# Altium PCB Radxa_E25_V1.4_20220119.PcbDoc (part 3 of 5)
Units mil, origin at the board's own origin, x right, y up, seen from the top; angles counter-clockwise.
Board outline 3106.31 x 2679.13 mil, 6 copper layers (Top, GND1, S1, Power, GND2, Bottom), stack 58.1 mil thick; 477 components, 352 nets, 1856 pads, 1064 vias.
Unrouted connection lines stored in the file: 297.
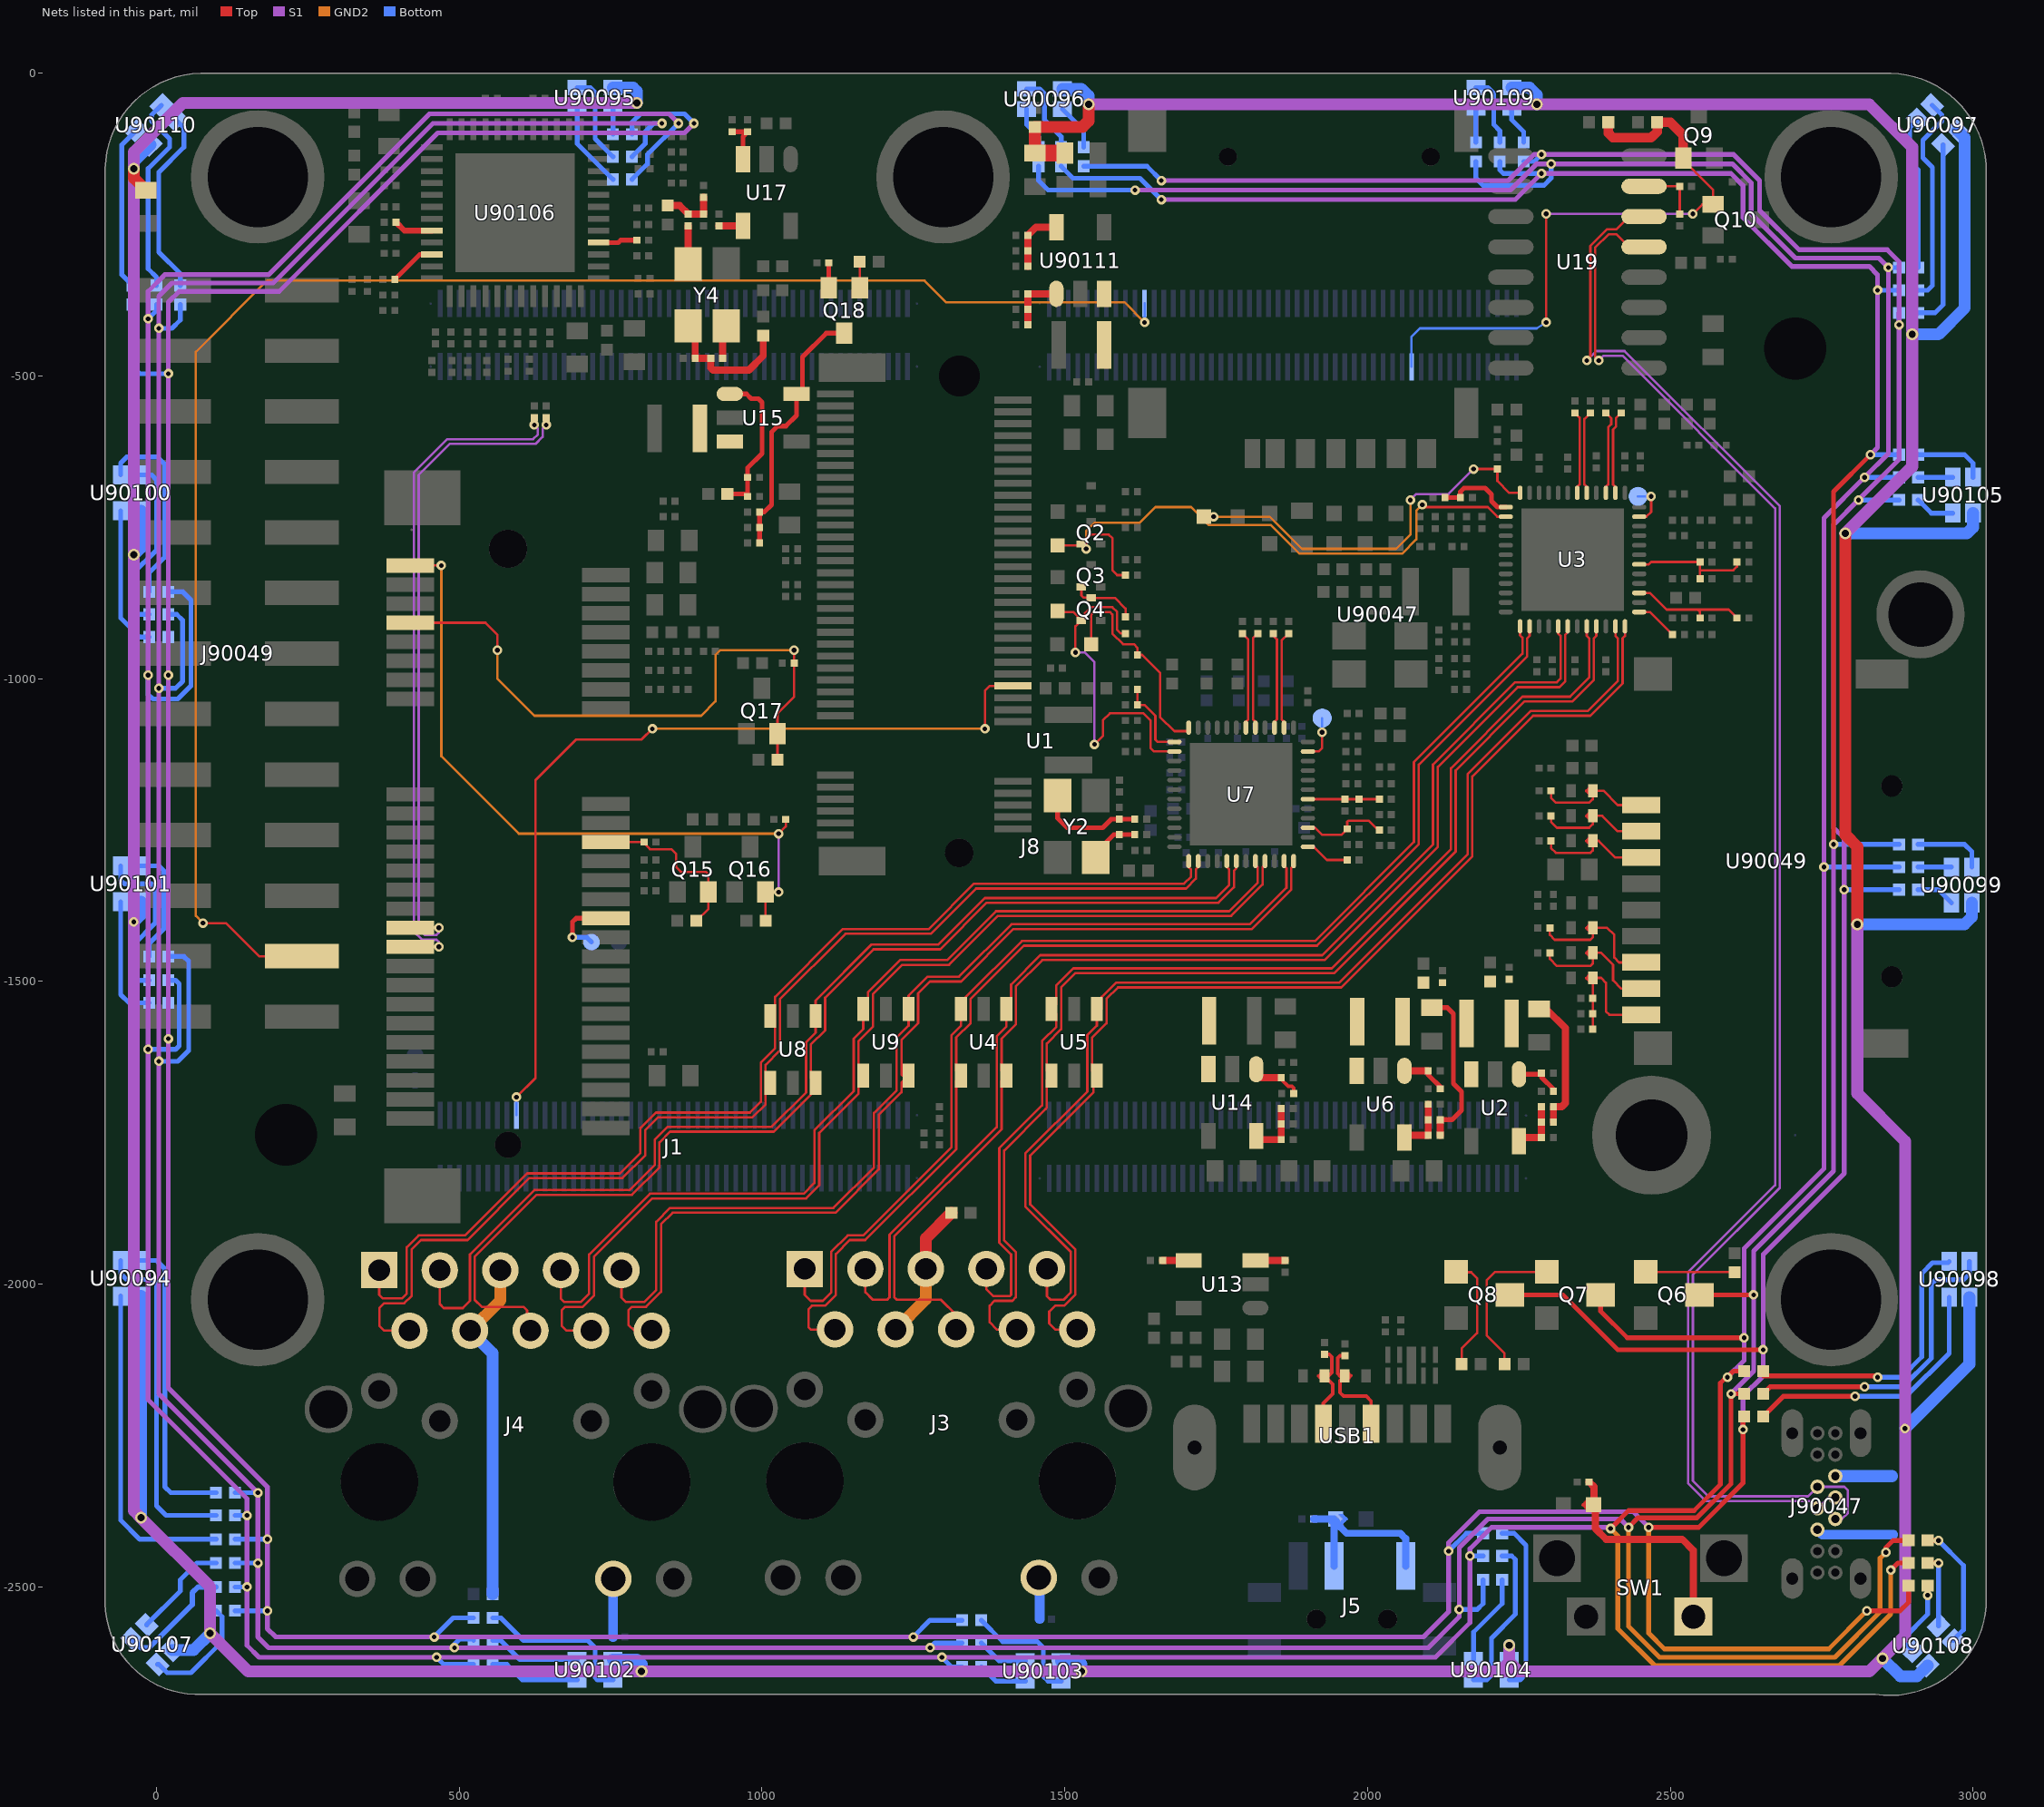
[diagram p7: the nets of this part, all layers, seen from the top]

## Via types
v1: diameter 15.75, hole 7.87, Top to Bottom, 825 vias
v2: diameter 19.68, hole 11.81, Top to Bottom, 239 vias

## Nets (pads, with @x,y where several pads share a name; then routed paths per layer and width w, separated by ;. In a path a pad name is that pad's centre, name@x,y a point inside that pad or via, vN(x,y) a via of type N, cw(c..) or ccw(c..) an arc to the next point about the centre after c; other vN are vias at no path point) (continued)
GPIO4_C0: J1.18 U90047.26 | length 1456.5
  Top w3.94: v1(594.49,-1690.94) 625.98,-1659.45 625.98,-1167.32 692.91,-1100.39 801.18,-1100.39 v1(818.9,-1082.68) ; v1(1368.11,-1082.68) 1368.11,-1019.68 1375.98,-1011.81 U90047.26@1414.57,-1011.81
  GND2 w3.94: v1(818.9,-1082.68) v1(1368.11,-1082.68)
  Bottom w3.94: J1.18@594.49,-1720.87 v1(594.49,-1690.94)
GPIO4_C6: J90049.24 U1.21 | length 2810.2
  Top w3.94: v1(76.77,-1403.54) 114.96,-1403.54 169.68,-1458.27 J90049.24@240.16,-1458.27
  GND2 w3.94: v1(76.77,-1403.54) 64.96,-1391.73 64.96,-459.9 182.34,-342.52 1268.45,-342.52 1303.88,-377.95 1598.43,-377.95 v1(1631.89,-411.42)
  Bottom w3.94: v1(1631.89,-411.42) U1.21@1631.89,-379.92
GPIO_VREF: Q9.1 Q10.1 R1.1 R2.1 U1.78 | length 1050.2
  Top w3.94: v1(2295.28,-411.42) v1(2295.28,-232.28) ; Q9.1@2521.65,-139.76 2521.65,-143.7 2543.31,-165.35 2570.87,-192.92 Q10.1@2570.87,-216.54 2553.15,-216.54 v1(2537.4,-232.28)
  Top w15.75: R1.1@2397.64,-80.71 2397.64,-98.43 2405.51,-106.3 2468.5,-106.3 2478.35,-96.46 R2.1@2478.35,-80.71 2500,-80.71 2521.65,-102.36 Q9.1@2521.65,-139.76
  S1 w3.94: v1(2295.28,-232.28) v1(2537.4,-232.28)
  Bottom w3.94: U1.78@2072.83,-484.65 2072.83,-435.04 2086.61,-421.26 2279.53,-421.26 v1(2295.28,-411.42)
HSON: C71.2 U7.39 | length 159.6
  Top w3.94: C71.2@1844.49,-925.2 1844.49,-929.13 1850.39,-935.04 1850.39,-1066.93 1846.46,-1070.87 U7.39@1846.46,-1080.71
HSON_16743242: C34.2 U3.39 | length 139.2
  Top w3.94: U3.39@2393.7,-692.91 2393.7,-683.07 2397.64,-679.13 2397.64,-584.65 2402.56,-579.72 2402.56,-569.88 C34.2@2393.7,-561.02
HSOP: C72.2 U7.38 | length 162
  Top w3.94: U7.38@1862.2,-1080.71 1862.2,-1070.87 1858.27,-1066.93 1858.27,-937.01 C72.2@1870.08,-925.2
HSOP_16742668: C35.2 U3.38 | length 139.2
  Top w3.94: U3.38@2409.45,-692.91 2409.45,-683.07 2405.51,-679.13 2405.51,-588.58 2410.43,-583.66 2410.43,-569.88 C35.2@2419.29,-561.02
ISOLATEB: R60.1 R61.1 U7.1 | length 135
  Top w3.94: R60.1@1620.08,-1017.72 R61.1@1620.08,-1043.31 1631.89,-1043.31 1649.61,-1061.02 1649.61,-1100.39 1653.54,-1104.33 U7.1@1681.1,-1104.33
ISOLATEB_16741688: R16.1 R17.1 U3.1 | length 132.3
  Top w7.87: R16.1@2127.95,-700.79 R17.1@2153.54,-700.79 2153.54,-690.94 2159.45,-685.04 2194.21,-685.04 2204.72,-695.55 2204.72,-706.69 2214.57,-716.54 U3.1@2228.35,-716.54
L3V3: J4.17 R86.2 | length 96.3
  Bottom w15.75: R86.2@753.94,-2582.68 J4.17@753.94,-2487.2
  Bottom w19.68: J4.17@753.94,-2487.2 J4.17@754.53,-2486.61
L3V3_16742974: J3.17 R42.2 | length 69.1
  Bottom w15.75: R42.2@1458.66,-2553.15 J3.17@1458.66,-2486.02
  Bottom w19.68: J3.17@1457.28,-2484.65 J3.17@1458.66,-2486.02
LAN_CLKREQB: D3.1 R74.2 U7.48 | length 367.3
  Top w3.94: D3.1@1543.7,-942.91 1543.7,-893.7 1547.64,-889.76 1574.8,-889.76 1578.74,-893.7 1578.74,-925.2 1596.46,-942.91 1614.17,-942.91 1620.08,-948.82 R74.2@1620.08,-960.63 1627.95,-960.63 1657.48,-990.16 1657.48,-1062.99 1681.1,-1086.61 1704.72,-1086.61 U7.48@1704.72,-1080.71
LAN_CLKREQB_16742094: D1.1 R30.2 U3.48 | length 660
  Top w3.94: D1.1@1729.92,-732.28 v1(1746.06,-732.28) ; v1(2175.2,-653.54) R30.2@2214.57,-653.54 2214.57,-673.23 2234.25,-692.91 U3.48@2251.97,-692.91
  S1 w3.94: v1(2070.87,-704.72) 2080.71,-694.88 2133.86,-694.88 v1(2175.2,-653.54)
  GND2 w3.94: v1(1746.06,-732.28) 1838.58,-732.28 1891.73,-785.43 2047.24,-785.43 2070.87,-761.81 v1(2070.87,-704.72)
LAN_EXT_CORE: C5.1 C6.1 C7.1 L1.2 R6.1 R24.2 | length 228.1
  Top w11.81: C6.1@2283.46,-1545.28 2295.28,-1545.28 2326.77,-1576.77 2326.77,-1700.79 2320.87,-1706.69 C5.1@2307.09,-1706.69 R6.1@2307.09,-1732.28
LAN_EXT_CORE_PCIE3: C39.1 C43.1 C44.1 L3.2 R48.1 R68.2 | length 272.2
  Top w7.87: C43.1@2106.3,-1543.31 2131.89,-1543.31 2141.73,-1553.15 2141.73,-1668.36 2155.51,-1682.14 2155.51,-1712.6 2139.76,-1728.35 R48.1@2120.08,-1728.35
  Top w11.81: C39.1@2120.08,-1753.94 R48.1@2120.08,-1728.35
LANWAKEB: D4.1 Q4.1 R70.2 U7.2 | length 621.5
  Top w3.94: D4.1@1488.19,-888.19 1489.76,-889.76 1513.78,-889.76 Q4.1@1527.56,-903.54 ; v1(1517.72,-956.69) 1517.72,-913.39 Q4.1@1527.56,-903.54 ; v1(1549.21,-1108.27) 1562.99,-1094.49 1562.99,-1068.9 1574.8,-1057.09 1629.92,-1057.09 1641.73,-1068.9 1641.73,-1114.17 1647.64,-1120.08 U7.2@1681.1,-1120.08 ; R70.2@1600.39,-925.2 1592.52,-925.2 1586.61,-919.29 1586.61,-889.76 1578.74,-881.89 1543.31,-881.89 1533.46,-891.73 1533.46,-903.54 Q4.1@1527.56,-903.54
  S1 w3.94: v1(1517.72,-956.69) 1533.46,-956.69 1549.21,-972.44 v1(1549.21,-1108.27)
LANWAKEB_16742124: D2.1 Q2.1 R26.2 U3.2 | length 1034.3
  Top w3.94: D2.1@1488.19,-779.92 1525.59,-779.92 1525.59,-779.53 Q2.1@1527.56,-777.56 ; v1(1535.43,-785.43) 1535.43,-777.56 Q2.1@1527.56,-777.56 ; R26.2@1600.39,-828.74 1586.61,-828.74 1578.74,-820.87 1578.74,-767.72 1572.83,-761.81 1543.31,-761.81 Q2.1@1527.56,-777.56 ; v1(2090.55,-712.6) 2094.49,-716.54 2198.82,-716.54 2214.57,-732.28 U3.2@2228.35,-732.28
  GND2 w3.94: v1(1535.43,-785.43) 1535.43,-755.91 1549.21,-742.13 1624.02,-742.13 1649.61,-716.54 1708.66,-716.54 1738.19,-746.06 1840.55,-746.06 1887.8,-793.31 2057.09,-793.31 2080.71,-769.68 2080.71,-722.44 v1(2090.55,-712.6)
LED0/EEDI/SPISI/SDA: R72.2 R75.2 R80.1 U7.30 | length 118.1
  Top w3.94: U7.30@1901.57,-1198.82 R75.2@1962.6,-1198.82 R80.1@1986.22,-1198.82 R72.2@2019.68,-1198.82
LED0/EEDI/SPISI/SDA_16742422: R28.2 R31.2 R36.1 U3.30 | length 201.6
  Top w3.94: U3.30@2448.82,-811.02 2464.57,-811.02 2468.5,-807.09 2547.68,-807.09 R31.2@2549.21,-808.62 ; R36.1@2549.21,-834.65 2549.21,-820.87 ; R31.2@2549.21,-807.09 R31.2@2549.21,-808.62 ; R28.2@2610.24,-807.09 2610.24,-814.96 2604.33,-820.87 2549.21,-820.87 ; 2549.21,-820.87 R31.2@2549.21,-808.62
LED1/EESK/SPISCK: R71.2 R81.1 U7.27 | length 146.2
  Top w3.94: U7.27@1901.57,-1246.06 1913.39,-1246.06 1925.2,-1257.87 1956.69,-1257.87 R81.1@1966.54,-1248.03 1966.54,-1236.22 1968.5,-1234.25 2001.97,-1234.25 2017.72,-1250 R71.2@2019.68,-1250
LED1/EESK/SPISCK_16741786: R27.2 R37.1 U3.27 | length 194
  Top w3.94: U3.27@2448.82,-858.27 2466.54,-858.27 2494.09,-885.83 2545.28,-885.83 ; R37.1@2549.21,-899.61 2549.21,-889.76 2545.28,-885.83 ; R27.2@2610.24,-899.61 2596.46,-885.83 2545.28,-885.83
LED2/EEDO/SPISO: R83.1 U7.25 | length 73.9
  Top w3.94: U7.25@1901.57,-1277.56 1911.42,-1277.56 1933.07,-1299.21 R83.1@1966.54,-1299.21
LED2/EEDO/SPISO_16741810: R39.1 U3.25 | length 70.6
  Top w3.94: U3.25@2448.82,-889.76 2466.54,-889.76 R39.1@2503.94,-927.17
LED3: TP2.1 U7.35 | length 75.3
  Top w3.94: U7.35@1901.57,-1120.08 1919.29,-1120.08 1925.2,-1114.17 v1(1925.2,-1088.58)
  Bottom w3.94: v1(1925.2,-1088.58) TP2.1@1925.2,-1064.96
LED3_16743702: TP1.1 U3.35 | length 70.2
  Top w3.94: U3.35@2448.82,-732.28 2460.63,-732.28 2468.5,-724.41 v1(2468.5,-698.82)
  Bottom w3.94: TP1.1@2446.85,-698.82 v1(2468.5,-698.82)
LED-VCC: C124.1 C125.1 R146.2 R148.2 U90094.1 U90095.1 U90096.1 U90097.1 U90098.1 U90099.1 U90100.1 U90101.1 U90102.1 U90103.1 U90104.1 U90105.1 U90107.1 U90108.1 U90109.1 U90110.1 | length 12631.8
  Top w19.68: v2(-37.4,-157.48) -37.4,-173.23 R148.2@-17.72,-192.91 ; C124.1@1450.79,-131.89 C125.1@1450.79,-88.58 1529.53,-88.58 1539.37,-78.74 v2(1539.37,-51.18) ; v2(2789.37,-759.84) 2789.37,-1257.87 2809.06,-1277.56 v2(2809.06,-1405.51)
  Top w27.56: C124.1@1450.79,-131.89 R146.2@1500,-131.89
  S1 w19.68: v2(793.31,-49.21) 43.31,-49.21 -37.4,-129.92 v2(-37.4,-157.48) v2(-37.4,-795.28) v1(-37.4,-1401.57) -37.4,-2374.02 v2(-25.59,-2385.83) 88.58,-2500 v2(88.58,-2576.77) 151.57,-2639.76 v2(801.18,-2639.76) v2(1527.56,-2639.76) 2218.5,-2639.76 ; v2(1539.37,-51.18) v2(2279.53,-51.18) 2828.74,-51.18 2899.61,-122.05 v2(2899.61,-431.1) 2899.61,-649.61 v2(2789.37,-759.84) ; v2(2234.25,-2596.46) 2234.25,-2624.02 ; v2(2809.06,-1405.51) 2809.06,-1685.04 2887.8,-1763.78 v1(2887.8,-2238.19) 2887.8,-2580.71 v2(2850.39,-2618.11) 2828.74,-2639.76 2250,-2639.76 ; 2218.5,-2639.76 2234.25,-2624.02 ; 2218.5,-2639.76 2234.25,-2639.76 ; 2234.25,-2639.76 2234.25,-2624.02 ; 2234.25,-2639.76 2250,-2639.76 ; 2234.25,-2624.02 2250,-2639.76
  Bottom w19.68: v1(-37.4,-1401.57) -25.59,-1389.76 U90101.1@-25.59,-1368.11 ; v2(-37.4,-795.28) -25.59,-783.46 U90100.1@-25.59,-722.44 ; v2(-37.4,-157.48) -37.4,-145.67 U90110.1@-9.84,-118.11 ; v2(-25.59,-2385.83) U90094.1@-25.59,-2019.68 ; U90107.1@25.59,-2604.33 61.02,-2604.33 v2(88.58,-2576.77) ; U90102.1@753.94,-2620.08 793.31,-2620.08 801.18,-2627.95 v2(801.18,-2639.76) ; U90095.1@753.94,-23.62 787.4,-23.62 793.31,-29.53 v2(793.31,-49.21) ; U90103.1@1494.09,-2622.05 1521.65,-2622.05 1527.56,-2627.95 v2(1527.56,-2639.76) ; U90096.1@1496.06,-25.59 1527.56,-25.59 1539.37,-37.4 v2(1539.37,-51.18) ; U90104.1@2234.25,-2620.08 v2(2234.25,-2596.46) ; U90109.1@2238.19,-23.62 2267.72,-23.62 2279.53,-35.43 v2(2279.53,-51.18) ; v2(2789.37,-759.84) 2990.16,-759.84 3000,-750 U90105.1@3000,-726.38 ; v2(2809.06,-1405.51) 2986.22,-1405.51 2998.03,-1393.7 U90099.1@2998.03,-1370.08 ; v2(2850.39,-2618.11) 2879.92,-2647.64 2907.48,-2647.64 U90108.1@2925.2,-2629.92 ; v1(2887.8,-2238.19) 2994.09,-2131.89 U90098.1@2994.09,-2021.65 ; v2(2899.61,-431.1) 2942.91,-431.1 2986.22,-387.8 2986.22,-106.3 U90097.1@2974.41,-94.49
LED_B: Q8.3 R90355.2 R90520.2 R90523.2 R90526.2 R90530.2 R90533.2 R90535.2 R90539.2 R90541.2 R90544.2 R90548.2 R90551.2 R90627.2 R90630.2 R90633.2 R90636.2 | length 11634.1
  Top w7.87: Q8.3@2235.47,-2017.72 2322.83,-2017.72 2413.39,-2108.27 v1(2653.54,-2108.27) ; v1(2464.57,-2401.57) 2547.24,-2401.57 2620.08,-2328.74 v1(2620.08,-2240.16) 2620.08,-2218.5 R90530.2@2622.05,-2218.5 ; v1(2824.8,-2539.37) 2879.92,-2539.37 2893.7,-2525.59 R90630.2@2893.7,-2498.03
  S1 w7.87: v1(887.8,-82.68) 872.05,-98.43 464.57,-98.43 202.76,-360.24 37.4,-360.24 19.68,-377.95 v1(19.68,-496.06) v1(19.68,-994.09) v1(19.68,-1594.49) 19.68,-2171.26 183.07,-2334.65 v1(183.07,-2421.26) v1(183.07,-2539.37) 183.07,-2568.9 196.85,-2582.68 v1(458.66,-2582.68) v1(1250,-2582.68) 2092.52,-2582.68 2133.86,-2541.34 v1(2133.86,-2440.94) 2133.86,-2427.17 2185.04,-2375.98 2438.98,-2375.98 v1(2464.57,-2401.57) ; v1(1659.45,-177.17) 2232.28,-177.17 2275.59,-133.86 v1(2287.4,-133.86) 2604.33,-133.86 2647.64,-177.17 2647.64,-226.38 2712.6,-291.34 2858.27,-291.34 2877.95,-311.02 v1(2877.95,-415.35) 2877.95,-637.8 v1(2811.02,-704.72) 2769.68,-746.06 2769.68,-1246.06 2787.4,-1263.78 v1(2787.4,-1348.43) 2787.4,-1816.93 2653.54,-1950.79 v1(2653.54,-2108.27) 2653.54,-2151.57 2620.08,-2185.04 v1(2620.08,-2240.16)
  GND2 w7.87: v1(2464.57,-2401.57) 2464.57,-2576.77 2490.16,-2602.36 2761.81,-2602.36 v1(2824.8,-2539.37)
  Bottom w7.87: R90636.2@-39.37,-381.89 -39.37,-484.25 -27.56,-496.06 v1(19.68,-496.06) ; v1(19.68,-1594.49) R90539.2@19.68,-1535.43 ; v1(19.68,-994.09) R90535.2@19.68,-931.1 ; R90627.2@129.92,-2539.37 v1(183.07,-2539.37) ; R90355.2@129.92,-2421.26 v1(183.07,-2421.26) ; v1(458.66,-2582.68) 490.16,-2551.18 R90541.2@523.62,-2551.18 ; R90520.2@785.43,-100.39 785.43,-80.71 799.21,-66.93 872.05,-66.93 v1(887.8,-82.68) ; v1(1250,-2582.68) 1277.56,-2555.12 R90544.2@1330.71,-2555.12 ; R90523.2@1531.5,-153.54 1635.83,-153.54 v1(1659.45,-177.17) ; v1(2133.86,-2440.94) 2163.39,-2411.42 R90548.2@2190.94,-2411.42 ; R90633.2@2257.87,-145.67 2275.59,-145.67 v1(2287.4,-133.86) ; v1(2787.4,-1348.43) R90533.2@2877.95,-1348.43 ; v1(2811.02,-704.72) R90551.2@2877.95,-704.72 ; v1(2877.95,-415.35) R90526.2@2877.95,-395.67
LED_G: Q7.3 R90356.2 R90522.2 R90525.2 R90528.2 R90531.2 R90534.2 R90537.2 R90540.2 R90543.2 R90546.2 R90549.2 R90552.2 R90629.2 R90632.2 R90635.2 R90638.2 | length 11901.2
  Top w7.87: Q7.3@2385.08,-2017.72 2385.08,-2044.53 2429.13,-2088.58 v1(2622.05,-2088.58) ; v1(2401.57,-2403.54) 2431.1,-2374.02 2539.37,-2374.02 2582.68,-2330.71 2582.68,-2163.39 2592.52,-2153.54 v1(2594.49,-2153.54) 2604.33,-2143.7 R90531.2@2622.05,-2143.7 ; v1(2864.17,-2472.44) 2875.98,-2460.63 R90632.2@2893.7,-2460.63
  S1 w7.87: v1(862.2,-82.68) 846.46,-66.93 450.79,-66.93 185.04,-332.68 13.78,-332.68 -13.78,-360.24 v1(-13.78,-405.51) v1(-13.78,-994.09) v1(-13.78,-1612.2) -13.78,-2190.94 149.61,-2354.33 v1(149.61,-2381.89) v1(149.61,-2500) 149.61,-2596.46 169.29,-2616.14 v1(462.6,-2616.14) v1(1297.24,-2616.14) 2112.2,-2616.14 2169.29,-2559.06 v1(2169.29,-2448.82) 2169.29,-2437.01 2204.72,-2401.57 2399.61,-2401.57 v1(2401.57,-2403.54) ; v1(1616.14,-192.91) 2236.22,-192.91 2279.53,-149.61 v1(2303.15,-149.61) 2602.36,-149.61 2633.86,-181.1 2633.86,-232.28 2706.69,-305.12 2844.49,-305.12 v1(2860.24,-320.87) 2860.24,-627.95 v1(2820.87,-667.32) 2753.94,-734.25 v1(2753.94,-1311.02) 2753.94,-1809.06 2622.05,-1940.94 v1(2622.05,-2088.58) 2622.05,-2125.98 v1(2594.49,-2153.54)
  GND2 w7.87: v1(2401.57,-2403.54) 2413.39,-2415.35 2413.39,-2568.9 2474.41,-2629.92 2779.53,-2629.92 2864.17,-2545.28 v1(2864.17,-2472.44)
  Bottom w7.87: v1(-13.78,-1612.2) 31.5,-1612.2 37.4,-1606.3 37.4,-1503.94 31.5,-1498.03 R90540.2@19.68,-1498.03 ; v1(-13.78,-994.09) -13.78,-1025.59 -5.91,-1033.46 35.43,-1033.46 57.09,-1011.81 57.09,-870.08 43.31,-856.3 R90537.2@19.68,-856.3 ; v1(-13.78,-405.51) 0,-391.73 R90638.2@0,-381.89 ; R90629.2@129.92,-2500 v1(149.61,-2500) ; R90356.2@129.92,-2381.89 v1(149.61,-2381.89) ; v1(462.6,-2616.14) 474.41,-2627.95 R90543.2@523.62,-2627.95 ; R90522.2@785.43,-175.2 811.02,-149.61 811.02,-133.86 v1(862.2,-82.68) ; v1(1297.24,-2616.14) 1312.99,-2631.89 R90546.2@1330.71,-2631.89 ; R90525.2@1456.69,-153.54 1456.69,-177.17 1472.44,-192.91 v1(1616.14,-192.91) ; v1(2169.29,-2448.82) R90549.2@2190.94,-2448.82 ; R90635.2@2179.13,-145.67 2179.13,-173.23 2190.94,-185.04 2291.34,-185.04 2303.15,-173.23 v1(2303.15,-149.61) ; v1(2753.94,-1311.02) R90534.2@2877.95,-1311.02 ; v1(2820.87,-667.32) R90552.2@2877.95,-667.32 ; v1(2860.24,-320.87) R90528.2@2877.95,-320.87
LED_R: Q6.3 R90354.2 R90521.2 R90524.2 R90527.2 R90529.2 R90532.2 R90536.2 R90538.2 R90542.2 R90545.2 R90547.2 R90550.2 R90628.2 R90631.2 R90634.2 R90637.2 | length 11440.5
  Top w7.87: v1(2431.1,-2401.57) 2446.85,-2385.83 2544.26,-2385.83 2600.39,-2329.7 v1(2600.39,-2181.1) R90529.2@2622.05,-2181.1 ; Q6.3@2548.47,-2017.72 v1(2637.8,-2017.72) ; v1(2769.68,-1273.62) 2769.68,-690.94 v1(2830.71,-629.92) ; v1(2856.3,-2442.91) 2856.3,-2435.04 2868.11,-2423.23 R90631.2@2893.7,-2423.23
  S1 w7.87: v1(834.65,-82.68) 456.69,-82.68 192.91,-346.46 25.59,-346.46 3.94,-368.11 v1(3.94,-421.26) v1(3.94,-1015.75) v1(3.94,-1631.89) 3.94,-2181.1 v1(167.32,-2344.49) v1(167.32,-2460.63) 167.32,-2582.68 185.04,-2600.39 v1(492.13,-2600.39) v1(1277.56,-2600.39) 2100.39,-2600.39 2151.57,-2549.21 v1(2151.57,-2537.4) 2151.57,-2435.04 2198.82,-2387.8 2417.32,-2387.8 v1(2431.1,-2401.57) ; v1(1659.45,-208.66) 2244.09,-208.66 v1(2287.4,-165.35) 2600.39,-165.35 2620.08,-185.04 2620.08,-238.19 2700.79,-318.9 2828.74,-318.9 2842.52,-332.68 v1(2842.52,-358.27) 2842.52,-618.11 v1(2830.71,-629.92) ; v1(2600.39,-2181.1) 2637.8,-2143.7 v1(2637.8,-2017.72) 2637.8,-1944.88 2769.68,-1812.99 v1(2769.68,-1273.62)
  GND2 w7.87: v1(2431.1,-2401.57) 2431.1,-2564.96 2482.28,-2616.14 2771.65,-2616.14 2846.46,-2541.34 2846.46,-2452.76 v1(2856.3,-2442.91)
  Bottom w7.87: v1(3.94,-1631.89) 35.43,-1631.89 53.15,-1614.17 53.15,-1466.54 45.28,-1458.66 R90538.2@19.68,-1458.66 ; v1(3.94,-1015.75) 31.5,-1015.75 43.31,-1003.94 43.31,-903.54 33.46,-893.7 R90536.2@19.68,-893.7 ; v1(3.94,-421.26) 25.59,-421.26 39.37,-407.48 R90637.2@39.37,-381.89 ; R90628.2@129.92,-2460.63 v1(167.32,-2460.63) ; R90354.2@129.92,-2344.49 v1(167.32,-2344.49) ; v1(492.13,-2600.39) 492.13,-2594.49 500.48,-2586.14 523.62,-2586.14 R90542.2@523.62,-2588.58 ; R90521.2@785.43,-137.8 807.09,-116.14 807.09,-96.46 820.87,-82.68 v1(834.65,-82.68) ; v1(1277.56,-2600.39) 1285.43,-2592.52 R90545.2@1330.71,-2592.52 ; R90524.2@1494.09,-153.54 1513.78,-173.23 1624.02,-173.23 v1(1659.45,-208.66) ; v1(2151.57,-2537.4) 2181.1,-2537.4 2190.94,-2527.56 R90547.2@2190.94,-2488.19 ; R90634.2@2218.5,-145.67 2218.5,-159.45 2224.41,-165.35 v1(2287.4,-165.35) ; v1(2769.68,-1273.62) R90532.2@2877.95,-1273.62 ; v1(2830.71,-629.92) R90550.2@2877.95,-629.92 ; v1(2842.52,-358.27) R90527.2@2877.95,-358.27
MDI0+: J4.1 U7.13 U8.3 | length 1868
  Top w3.94: J4.1@367.91,-1976.77 367.91,-2017.72 373.82,-2023.62 405.51,-2023.62 413.39,-2015.75 413.39,-1938.98 433.07,-1919.29 509.84,-1919.29 612.2,-1816.93 765.75,-1816.93 799.21,-1783.46 799.21,-1742.13 824.8,-1716.54 980.31,-1716.54 998.03,-1698.82 998.03,-1633.86 1021.65,-1610.24 1021.65,-1576.77 U8.3@1021.65,-1564.96 ; U8.3@1013.78,-1557.09 U8.3@1021.65,-1564.96 ; U7.13@1704.72,-1301.18 1704.72,-1311.02 1708.66,-1314.96 1708.66,-1326.77 1696.85,-1338.58 1350.39,-1338.58 1275.59,-1413.39 1133.86,-1413.39 1021.65,-1525.59 U8.3@1021.65,-1564.96
MDI0+_16743330: J3.1 U3.13 U4.3 | length 1974.4
  Top w3.94: J3.1@1070.67,-1974.8 1070.67,-2017.72 1080.51,-2027.56 1100.39,-2027.56 1114.17,-2013.78 1114.17,-1946.85 1141.73,-1919.29 1167.32,-1919.29 1312.99,-1773.62 1312.99,-1588.58 1328.74,-1572.83 U4.3@1328.74,-1545.28 1336.61,-1545.28 1336.61,-1525.59 1429.13,-1433.07 1913.39,-1433.07 2076.77,-1269.68 2076.77,-1137.8 2255.91,-958.66 2255.91,-932.09 2251.97,-928.15 U3.13@2251.97,-913.39
MDI0-: J4.2 U7.14 U8.4 | length 1923.5
  Top w3.94: J4.2@417.91,-2076.77 375.98,-2076.77 368.11,-2068.9 368.11,-2039.37 375.98,-2031.5 409.45,-2031.5 421.26,-2019.68 421.26,-1942.91 437.01,-1927.17 513.78,-1927.17 616.14,-1824.8 769.68,-1824.8 807.09,-1787.4 807.09,-1746.06 828.74,-1724.41 984.25,-1724.41 1005.91,-1702.76 U8.4@1005.91,-1659.45 ; U8.4@1013.78,-1667.32 U8.4@1005.91,-1659.45 ; U7.14@1720.47,-1301.18 1720.47,-1311.02 1716.54,-1314.96 1716.54,-1330.37 1700.45,-1346.46 1353.66,-1346.46 1278.85,-1421.26 1137.8,-1421.26 1029.53,-1529.53 1029.53,-1614.17 1005.91,-1637.8 1005.91,-1645.67 U8.4@1005.91,-1659.45
MDI0-_16743330: J3.2 U3.14 U4.4 | length 2014.2
  Top w3.94: J3.2@1120.67,-2074.8 1080.71,-2074.8 1076.77,-2070.87 1076.77,-2041.34 1082.68,-2035.43 1104.33,-2035.43 1122.05,-2017.72 1122.05,-1950.11 1144.99,-1927.17 1170.58,-1927.17 1320.87,-1776.88 1320.87,-1663.39 U4.4@1328.74,-1655.51 1320.87,-1647.64 1320.87,-1592.52 1344.49,-1568.9 1344.49,-1528.85 1432.4,-1440.94 1916.65,-1440.94 2084.65,-1272.95 2084.65,-1141.73 2263.78,-962.6 2263.78,-933.07 2267.72,-929.13 U3.14@2267.72,-913.39